# KiCad board choctopus44.kicad_pcb
title: Choctopus44; date: 2023-05-08; rev: 2.0
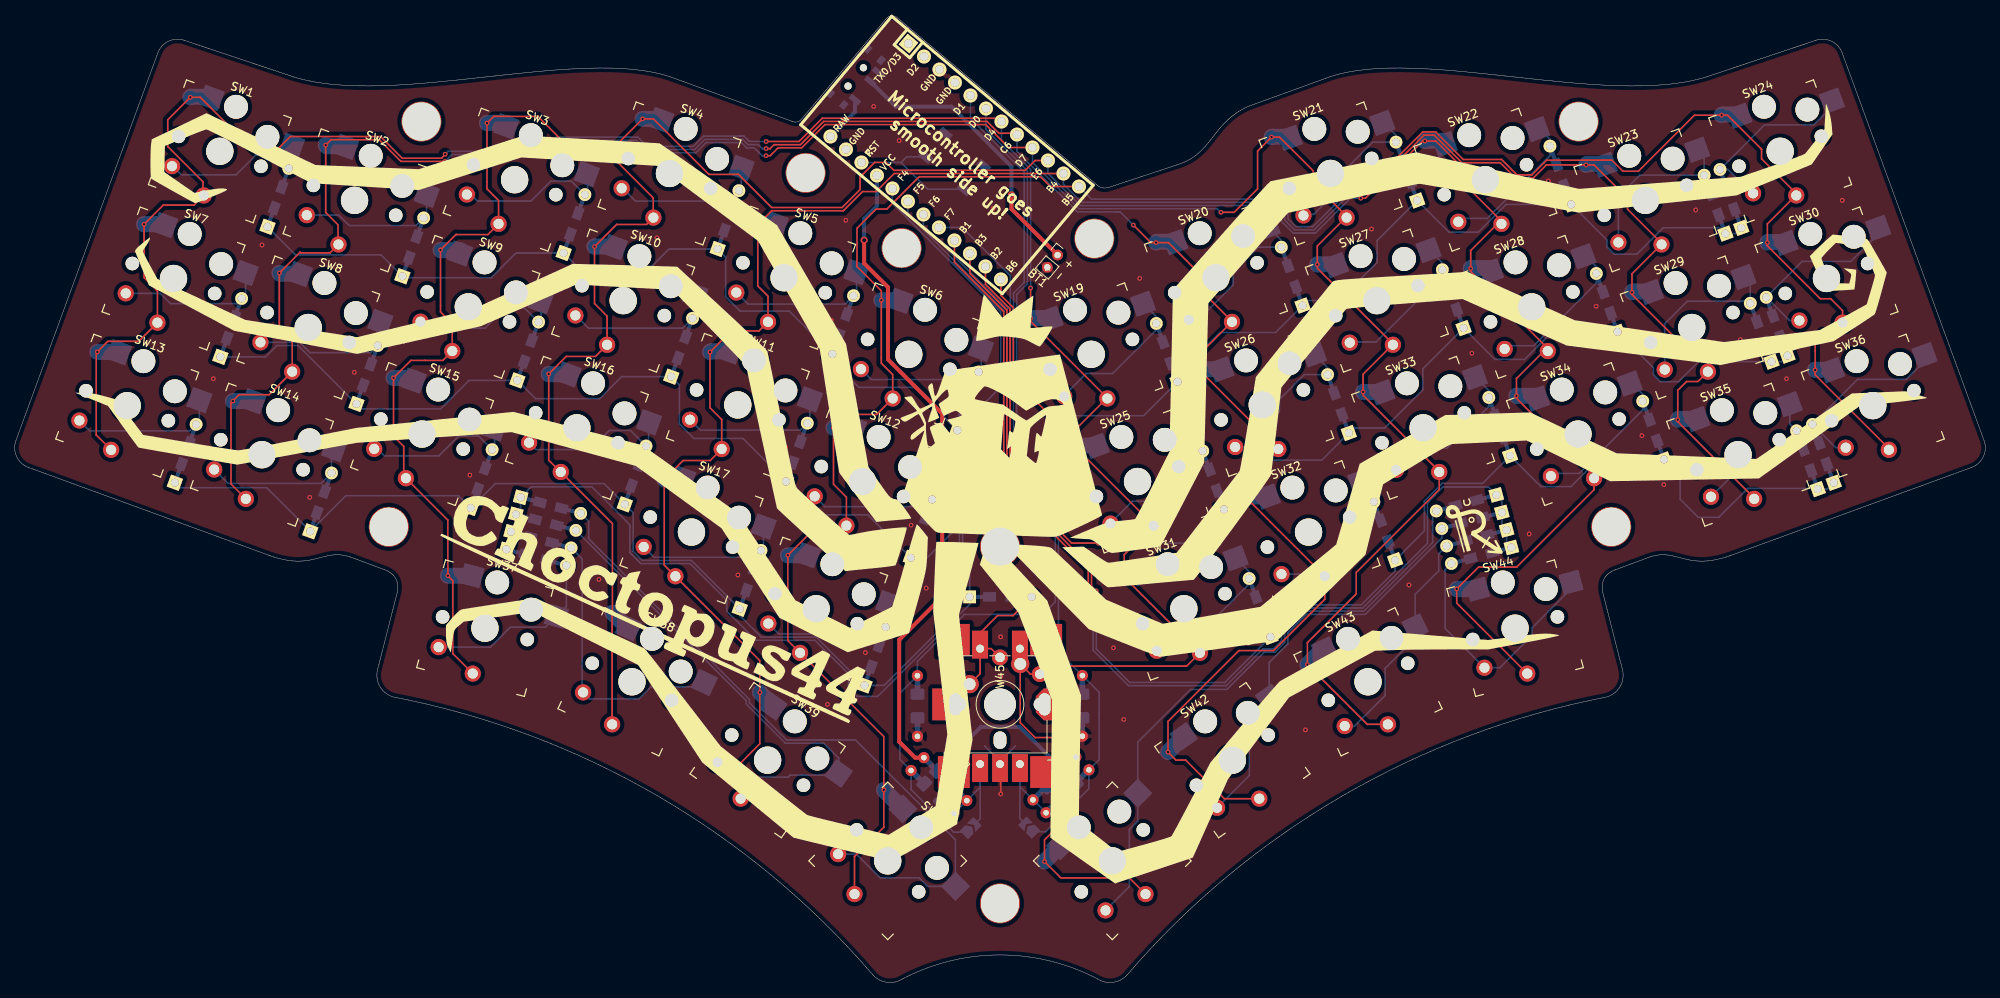
[diagram p0: board, top side]
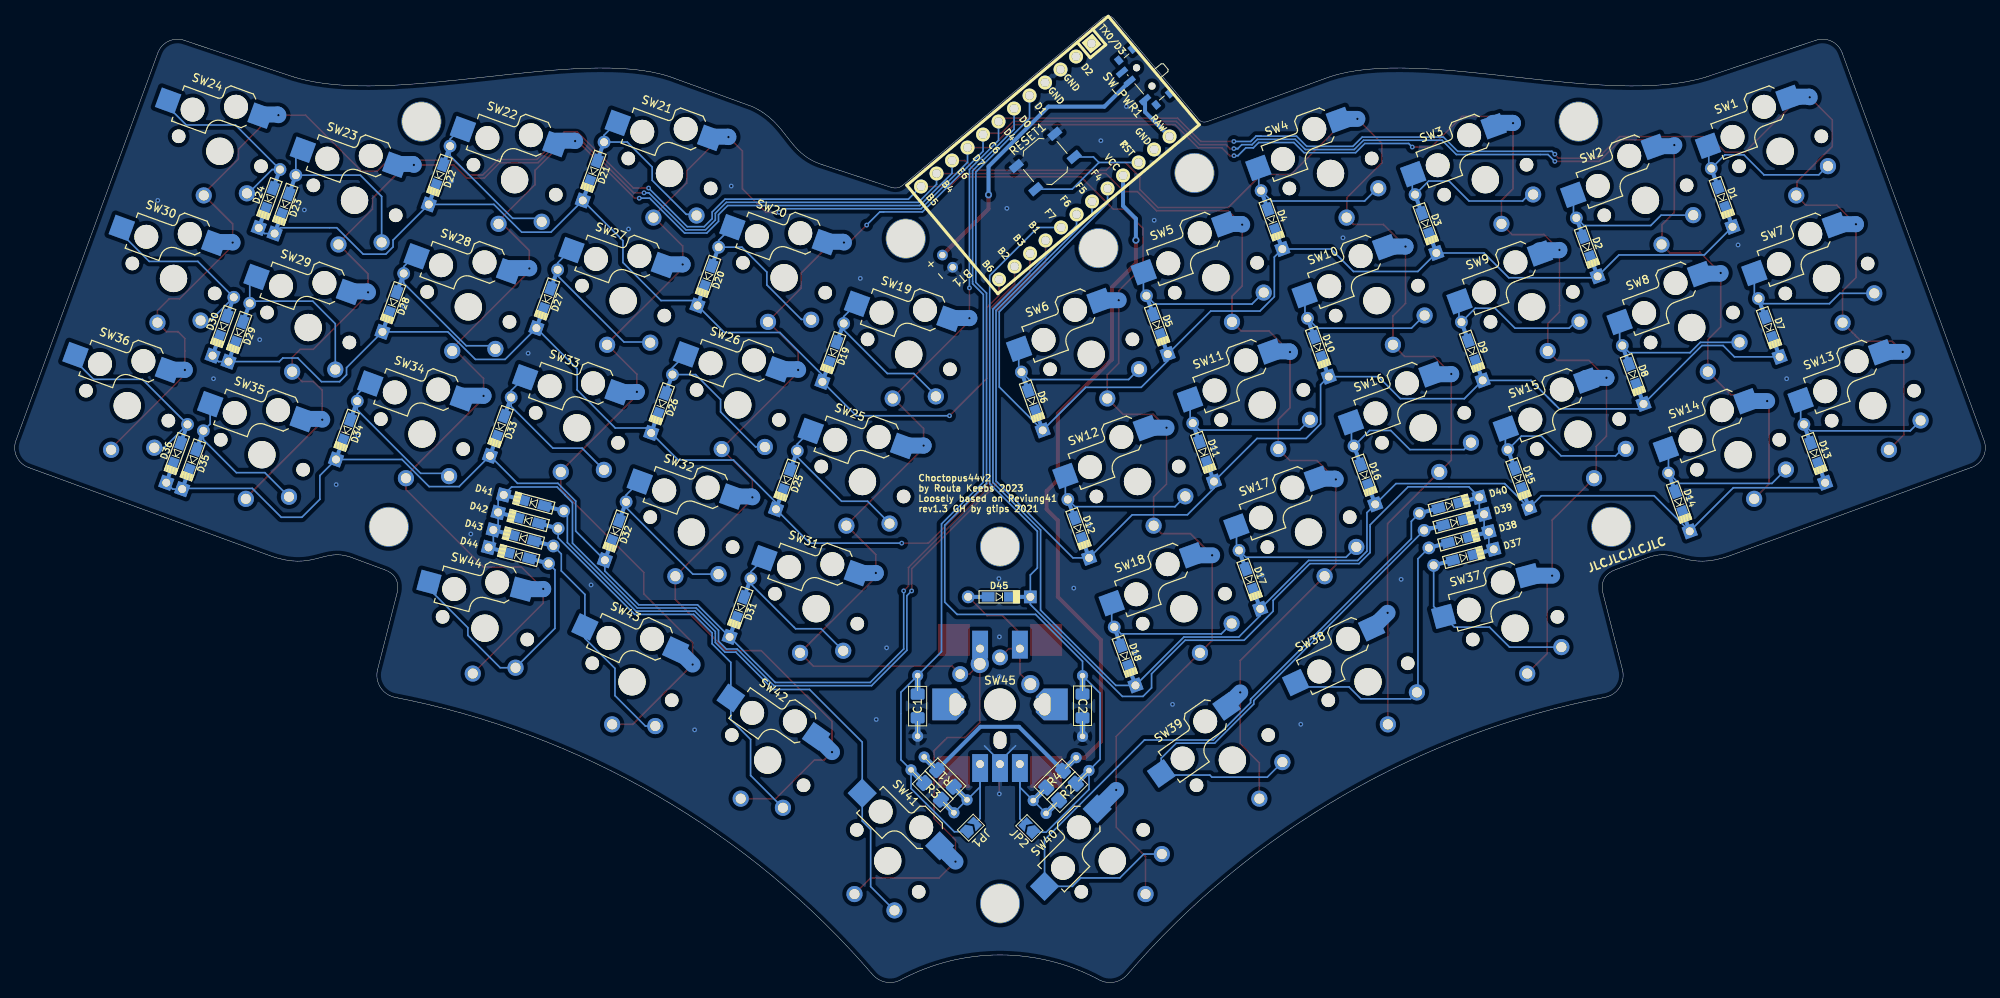
[diagram p1: board, bottom side, seen from below]

Outline 247.41 x 121.42 mm; copper layers: Top, Bottom. Coordinates in mm from the lower left corner of the outline.
Outline path: 35.05,113.74 21.34,118.33 arc(19.33,118.25) 17.97,116.76 0.16,68.07 arc(0.25,66.07) 1.73,64.71 32.05,53.62 ; 42.17,53.44 46.47,51.84 ; 48.01,48.93 45.57,39.35 arc(45.88,37.15) 47.67,35.84 arc(80.67,23.48) 107.77,0.94 arc(109.3,0.06) 111.07,0.24 arc(123.71,3.47) 136.35,0.24 arc(138.11,0.06) 139.65,0.94 arc(166.75,23.48) 199.75,35.84 arc(201.54,37.15) 201.84,39.35 199.4,48.93 ; 97.69,108.14 82.37,113.74 ; 98.73,108.38 109.41,121.06 arc(110.07,121.41) 110.8,121.19 135.99,100.09 ; 146.05,102.74 137.39,99.89 ; 165.05,113.74 154.85,110.04 ; 200.95,51.84 205.25,53.44 ; 212.37,113.74 226.07,118.33 arc(228.08,118.25) 229.44,116.76 247.25,68.07 arc(247.17,66.07) 245.69,64.71 215.37,53.62
Stack: Top 0.035mm / dielectric 1.51mm FR4 er 4.5 / Bottom 0.035mm

## Placement (name value [footprint] x y rotation side)
BT1  Battery_Cell  [PinHeader_1x02_P2.00mm_Vertical]  130.93 91.38 320 top
C1  C  [1206_hybrid]  134.05 34.74 270 bottom
C2  C  [1206_hybrid]  113.35 34.74 90 bottom
D1  1N4148W  [Diode-Hybrid-Back]  33.07 98.59 250 top
D2  1N4148W  [Diode-Hybrid-Back]  50.01 92.38 250 top
D3  1N4148W  [Diode-Hybrid-Back]  70.26 95.3 250 top
D4  1N4148W  [Diode-Hybrid-Back]  89.59 95.8 250 top
D5  1N4148W  [Diode-Hybrid-Back]  103.99 82.6 250 top
D6  1N4148W  [Diode-Hybrid-Back]  119.68 73.02 250 top
D7  1N4148W  [Diode-Hybrid-Back]  27.16 82.26 250 top
D8  1N4148W  [Diode-Hybrid-Back]  44.25 76.34 250 top
D9  1N4148W  [Diode-Hybrid-Back]  64.44 79.3 250 top
D10  1N4148W  [Diode-Hybrid-Back]  83.77 79.77 250 top
D11  1N4148W  [Diode-Hybrid-Back]  98.18 66.6 250 top
D12  1N4148W  [Diode-Hybrid-Back]  113.85 57.01 250 top
D13  1N4148W  [Diode-Hybrid-Back]  21.45 66.44 250 top
D14  1N4148W  [Diode-Hybrid-Back]  38.45 60.34 250 top
D15  1N4148W  [Diode-Hybrid-Back]  58.61 63.27 250 top
D16  1N4148W  [Diode-Hybrid-Back]  77.93 63.73 250 top
D17  1N4148W  [Diode-Hybrid-Back]  92.36 50.62 250 top
D18  1N4148W  [Diode-Hybrid-Back]  108.03 40.99 250 top
D19  1N4148W  [Diode-Hybrid-Back]  144.66 79.12 290 top
D20  1N4148W  [Diode-Hybrid-Back]  160.36 88.7 290 top
D21  1N4148W  [Diode-Hybrid-Back]  174.75 101.9 290 top
D22  1N4148W  [Diode-Hybrid-Back]  194.09 101.4 290 top
D23  1N4148W  [Diode-Hybrid-Back]  213.45 97.74 290 top
D24  1N4148W  [Diode-Hybrid-Back]  215.43 98.46 290 top
D25  1N4148W  [Diode-Hybrid-Back]  150.49 63.11 290 top
D26  1N4148W  [Diode-Hybrid-Back]  166.17 72.7 290 top
D27  1N4148W  [Diode-Hybrid-Back]  180.58 85.87 290 top
D28  1N4148W  [Diode-Hybrid-Back]  199.9 85.4 290 top
D29  1N4148W  [Diode-Hybrid-Back]  219.23 81.66 290 top
D30  1N4148W  [Diode-Hybrid-Back]  221.24 82.41 290 top
D31  1N4148W  [Diode-Hybrid-Back]  156.32 47.08 290 top
D32  1N4148W  [Diode-Hybrid-Back]  171.98 56.72 290 top
D33  1N4148W  [Diode-Hybrid-Back]  186.41 69.83 290 top
D34  1N4148W  [Diode-Hybrid-Back]  205.74 69.37 290 top
D35  1N4148W  [Diode-Hybrid-Back]  225.05 65.64 290 top
D36  1N4148W  [Diode-Hybrid-Back]  227.05 66.44 290 top
D37  1N4148W  [Diode-Hybrid-Back]  65.49 53.41 165 top
D38  1N4148W  [Diode-Hybrid-Back]  66.09 55.61 165 top
D39  1N4148W  [Diode-Hybrid-Back]  66.69 57.81 165 top
D40  1N4148W  [Diode-Hybrid-Back]  67.29 59.94 165 top
D41  1N4148W  [Diode-Hybrid-Back]  182.25 60.24 15 top
D42  1N4148W  [Diode-Hybrid-Back]  182.95 58.04 15 top
D43  1N4148W  [Diode-Hybrid-Back]  183.55 55.84 15 top
D44  1N4148W  [Diode-Hybrid-Back]  184.15 53.64 15 top
D45  1N4148W  [Diode-Hybrid-Back]  123.8 48.44 180 top
G***  LOGO  [routa-logo-new-4-11mm]  182.83 57.05 15 top
G***#2  LOGO  [lonkerot-6-155mm]  123.36 67.79 0 top
H1  H1  [HOLE]  51.07 108.14 355 top
H6  H6  [HOLE]  123.71 9.94 0 top
H6#2  H6  [HOLE]  123.71 54.76 0 top
H6#3  H6  [HOLE]  135.55 93.44 0 top
H6#4  H6  [HOLE]  99.3 101.69 0 top
H6#5  H6  [HOLE]  111.35 92.24 0 top
H8  H8  [HOLE]  200.45 57.24 5 top
H8#2  H8  [HOLE]  46.97 57.24 175 bottom
H11  H11  [HOLE]  196.35 108.14 10 top
JP1  SolderJumper_2_Open  [SolderJumper-2_P1.3mm_Open_TrianglePad1.0x1.5mm]  127.36 19.46 135 bottom
JP2  SolderJumper_2_Open  [SolderJumper-2_P1.3mm_Open_TrianglePad1.0x1.5mm]  120.02 19.4 45 bottom
R1  R  [1206_hybrid]  132.17 24.02 225 bottom
R2  R  [1206_hybrid]  115.23 23.94 315 bottom
R3  R  [1206_hybrid]  130.55 25.64 45 bottom
R4  R  [1206_hybrid]  116.85 25.54 315 bottom
RESET1  SW_PUSH  [SW_SPST_TL3342]  118.02 103.13 320 bottom
SW1  SW_PUSH  [Kailh_socket_PG1350_optional]  25.76 104.41 340 top
SW2  SW_PUSH  [Kailh_socket_PG1350_optional]  42.67 98.25 340 top
SW3  SW_PUSH  [Kailh_socket_PG1350_optional]  62.77 100.84 340 top
SW4  SW_PUSH  [Kailh_socket_PG1350_optional]  82.21 101.63 340 top
SW5  SW_PUSH  [Kailh_socket_PG1350_optional]  96.6 88.53 340 top
SW6  SW_PUSH  [Kailh_socket_PG1350_optional]  112.25 78.91 340 top
SW7  SW_PUSH  [Kailh_socket_PG1350_optional]  19.94 88.43 340 top
SW8  SW_PUSH  [Kailh_socket_PG1350_optional]  36.86 82.28 340 top
SW9  SW_PUSH  [Kailh_socket_PG1350_optional]  56.96 84.87 340 top
SW10  SW_PUSH  [Kailh_socket_PG1350_optional]  76.4 85.65 340 top
SW11  SW_PUSH  [Kailh_socket_PG1350_optional]  90.78 72.56 340 top
SW12  SW_PUSH  [Kailh_socket_PG1350_optional]  106.44 62.93 340 top
SW13  SW_PUSH  [Kailh_socket_PG1350_optional]  14.13 72.46 340 top
SW14  SW_PUSH  [Kailh_socket_PG1350_optional]  31.04 66.3 340 top
SW15  SW_PUSH  [Kailh_socket_PG1350_optional]  51.14 68.89 340 top
SW16  SW_PUSH  [Kailh_socket_PG1350_optional]  70.58 69.68 340 top
SW17  SW_PUSH  [Kailh_socket_PG1350_optional]  84.97 56.58 340 top
SW18  SW_PUSH  [Kailh_socket_PG1350_optional]  100.62 46.96 340 top
SW19  SW_PUSH  [Kailh_socket_PG1350_optional]  135.16 78.91 20 top
SW20  SW_PUSH  [Kailh_socket_PG1350_optional]  150.81 88.53 20 top
SW21  SW_PUSH  [Kailh_socket_PG1350_optional]  165.2 101.63 20 top
SW22  SW_PUSH  [Kailh_socket_PG1350_optional]  184.64 100.84 20 top
SW23  SW_PUSH  [Kailh_socket_PG1350_optional]  204.74 98.25 20 top
SW24  SW_PUSH  [Kailh_socket_PG1350_optional]  221.65 104.41 20 top
SW25  SW_PUSH  [Kailh_socket_PG1350_optional]  140.98 62.93 20 top
SW26  SW_PUSH  [Kailh_socket_PG1350_optional]  156.63 72.55 20 top
SW27  SW_PUSH  [Kailh_socket_PG1350_optional]  171.02 85.65 20 top
SW28  SW_PUSH  [Kailh_socket_PG1350_optional]  190.46 84.87 20 top
SW29  SW_PUSH  [Kailh_socket_PG1350_optional]  210.56 82.28 20 top
SW30  SW_PUSH  [Kailh_socket_PG1350_optional]  227.47 88.44 20 top
SW31  SW_PUSH  [Kailh_socket_PG1350_optional]  146.79 46.96 20 top
SW32  SW_PUSH  [Kailh_socket_PG1350_optional]  162.44 56.58 20 top
SW33  SW_PUSH  [Kailh_socket_PG1350_optional]  176.83 69.68 20 top
SW34  SW_PUSH  [Kailh_socket_PG1350_optional]  196.27 68.89 20 top
SW35  SW_PUSH  [Kailh_socket_PG1350_optional]  216.37 66.3 20 top
SW36  SW_PUSH  [Kailh_socket_PG1350_optional]  233.28 72.46 20 top
SW37  SW_PUSH  [Kailh_socket_PG1350_optional]  59.04 44.51 345 top
SW38  SW_PUSH  [Kailh_socket_PG1350_optional]  77.5 37.78 335 top
SW39  SW_PUSH  [Kailh_socket_PG1350_optional]  94.53 27.94 325 top
SW40  SW_PUSH  [Kailh_socket_PG1350_optional]  109.61 15.29 315 top
SW41  SW_PUSH  [Kailh_socket_PG1350_optional]  137.8 15.29 45 top
SW42  SW_PUSH  [Kailh_socket_PG1350_optional#2]  152.88 27.94 35 top
SW43  SW_PUSH  [Kailh_socket_PG1350_optional]  169.91 37.78 25 top
SW44  SW_PUSH  [Kailh_socket_PG1350_optional]  188.37 44.51 15 top
SW45  Rotary_Encoder_Switch  [EC11_THD_SMD_Choc_MX]  123.71 34.94 90 top
SW_PWR1  SW_DPST  [SW_SPDT_PCM12]  105.85 113.54 50 bottom
U1  ProMicro/Nice!Nano  [ArduinoProMicro]  118.02 103.13 320 bottom

## Library data of the parts
C1 C2 = -: Spice_Model: 100n; Spice_Netlist_Enabled: Y
R1-R4 = -: Spice_Model: 10k; Spice_Netlist_Enabled: Y

## Footprints (pads in the part's own frame, mm; a bottom-side part is the same pattern mirrored in y, then rotated)
1206_hybrid
  round 1.4 hole 0.7: 1(-3.82,-0.004)
  rect 2x0.7 smd: 1(-2.7,0) 2(2.7,0)
  rrect 1.425x1.75 smd: 1(-1.488,0) 2(1.488,0)
  oval 1.4x1.4 hole 0.7: 2(3.8,-0.004)
ArduinoProMicro
  rect 1.753x1.753 hole 1.092: 1(-13.97,-7.62)
  round 1.753 hole 1.092: 2(-11.43,-7.62) 3(-8.89,-7.62) 4(-6.35,-7.62) 5(-3.81,-7.62) 6(-1.27,-7.62) 7(1.27,-7.62) 8(3.81,-7.62) 9(6.35,-7.62) 10(8.89,-7.62) 11(11.43,-7.62) 12(13.97,-7.62) 13(13.97,7.62) 14(11.43,7.62) 15(8.89,7.62) 16(6.35,7.62) 17(3.81,7.62) 18(1.27,7.62) 19(-1.27,7.62) 20(-3.81,7.62) 21(-6.35,7.62) 22(-8.89,7.62) 23(-11.43,7.62) 24(-13.97,7.62)
Diode-Hybrid-Back
  rect 1.6x1.2 smd far side: 1(1.4,0) 2(-1.4,0)
  rect 2.9x0.5 smd far side: 1(2.5,0) 2(-2.5,0)
  rect 1.6x1.6 hole 1: 1(3.9,0)
  round 1.6 hole 1: 2(-3.9,0)
EC11_THD_SMD_Choc_MX
  rect 4x4 smd: (-9,5.8) (-9,-5.8) (7.6,5.8) (7.6,-5.8)
  oval 2.2x1.6 hole 2.2x1.6 unplated: (-4.5,0)
  rrect 4x4 hole 2.8x1.5 unplated: (0,5.6) (0,-5.6)
  round 1.702 hole 1.702 unplated: (0,5.08) (0,-5.08)
  round 3.988 hole 3.988 unplated: (0,0)
  rect 3.5x2 hole 1: A(-7.5,2.5) B(-7.5,-2.5) C(-7.5,0) S1(7,-2.5) S2(7,2.5)
  round 2 hole 1.2: S1(3.8,-5) S2(5.9,0)
  round 2.286 hole 1.499: S1(5.08,-2.54) S2(2.54,3.81)
HOLE
  round 5 hole 4.8 unplated: (0,0)
Kailh_socket_PG1350_optional
  round 1.702 hole 1.702 unplated: (-5.5,0) (5.5,0)
  round 3 hole 3 unplated: (0,5.95) (5,3.75)
  round 3.429 hole 3.429 unplated: (0,0)
  rect 2.6x2.6 smd far side: 1(-3.275,5.95) 2(8.275,3.75)
  round 2.032 hole 1.27: 1(0,-5.9) 2(-5,-3.8)
Kailh_socket_PG1350_optional#2
  round 1.702 hole 1.702 unplated: (-5.5,0) (5.5,0)
  round 3 hole 3 unplated: (0,5.95) (5,3.75)
  round 3.429 hole 3.429 unplated: (0,0)
  rect 2.6x2.6 smd far side: 1(-3.275,5.95) 2(8.275,3.75)
  round 2.032 hole 1.27: 1(0,-5.9) 2(-5,-3.8)
PinHeader_1x02_P2.00mm_Vertical
  round 1.35 hole 0.8: 1(0,0)
  oval 1.35x1.35 hole 0.8: 2(0,-2)
SolderJumper-2_P1.3mm_Open_TrianglePad1.0x1.5mm
  custom 1.5x1.5 smd: 1(-0.725,0)
  custom 1.15x1.5 smd: 2(0.725,0)
SW_SPDT_PCM12
  rect 1x0.8 smd: (-3.65,-1.43) (-3.65,0.78) (3.65,-1.43) (3.65,0.78)
  round 0.9 hole 0.9 unplated: (-1.5,-0.33) (1.5,-0.33)
  rect 0.7x1.5 smd: 1(-2.25,1.43) 2(0.75,1.43) 3(2.25,1.43)
SW_SPST_TL3342
  rect 1.7x1 smd: 1(-3.15,1.9) 1(3.15,1.9) 2(-3.15,-1.9) 2(3.15,-1.9)

## Nets
GND: BT1.2 C1.2 C2.1 RESET1.2 SW45.C U1.3 U1.4 U1.23
VCC: R3.2 R4.1 U1.21
col0: SW1.1 SW7.1 SW13.1 SW19.1 SW25.1 SW31.1 SW41.1 SW45.S1 U1.7
col1: SW2.1 SW8.1 SW14.1 SW20.1 SW26.1 SW32.1 SW42.1 U1.8
col2: SW3.1 SW9.1 SW15.1 SW21.1 SW27.1 SW33.1 SW37.1 SW43.1 U1.9
col3: SW4.1 SW10.1 SW16.1 SW22.1 SW28.1 SW34.1 SW38.1 SW44.1 U1.10
col4: SW5.1 SW11.1 SW17.1 SW23.1 SW29.1 SW35.1 SW39.1 U1.11
col5: SW6.1 SW12.1 SW18.1 SW24.1 SW30.1 SW36.1 SW40.1 U1.12
Enc1A: C2.2 JP2.1 R2.1 U1.5
Enc1B: C1.1 JP1.1 R1.1 U1.6
reset: RESET1.1 U1.22
row0: D1.1 D2.1 D3.1 D4.1 D5.1 D6.1 U1.20
row1: D7.1 D8.1 D9.1 D10.1 D11.1 D12.1 U1.19
row2: D13.1 D14.1 D15.1 D16.1 D17.1 D18.1 U1.18
row3: D37.1 D38.1 D39.1 D40.1 D45.1 U1.17
row4: D19.1 D20.1 D21.1 D22.1 D23.1 D24.1 U1.13
row5: D25.1 D26.1 D27.1 D28.1 D29.1 D30.1 U1.14
row6: D31.1 D32.1 D33.1 D34.1 D35.1 D36.1 U1.15
row7: D41.1 D42.1 D43.1 D44.1 U1.16
Net-(BT1-Pad1): BT1.1 SW_PWR1.2
Net-(D1-Pad2): D1.2 SW1.2
Net-(D2-Pad2): D2.2 SW2.2
Net-(D3-Pad2): D3.2 SW3.2
Net-(D4-Pad2): D4.2 SW4.2
Net-(D5-Pad2): D5.2 SW5.2
Net-(D6-Pad2): D6.2 SW6.2
Net-(D7-Pad2): D7.2 SW7.2
Net-(D8-Pad2): D8.2 SW8.2
Net-(D9-Pad2): D9.2 SW9.2
Net-(D10-Pad2): D10.2 SW10.2
Net-(D11-Pad2): D11.2 SW11.2
Net-(D12-Pad2): D12.2 SW12.2
Net-(D13-Pad2): D13.2 SW13.2
Net-(D14-Pad2): D14.2 SW14.2
Net-(D15-Pad2): D15.2 SW15.2
Net-(D16-Pad2): D16.2 SW16.2
Net-(D17-Pad2): D17.2 SW17.2
Net-(D18-Pad2): D18.2 SW18.2
Net-(D19-Pad2): D19.2 SW19.2
Net-(D20-Pad2): D20.2 SW20.2
Net-(D21-Pad2): D21.2 SW21.2
Net-(D22-Pad2): D22.2 SW22.2
Net-(D23-Pad2): D23.2 SW23.2
Net-(D24-Pad2): D24.2 SW24.2
Net-(D25-Pad2): D25.2 SW25.2
Net-(D26-Pad2): D26.2 SW26.2
Net-(D27-Pad2): D27.2 SW27.2
Net-(D28-Pad2): D28.2 SW28.2
Net-(D29-Pad2): D29.2 SW29.2
Net-(D30-Pad2): D30.2 SW30.2
Net-(D31-Pad2): D31.2 SW31.2
Net-(D32-Pad2): D32.2 SW32.2
Net-(D33-Pad2): D33.2 SW33.2
Net-(D34-Pad2): D34.2 SW34.2
Net-(D35-Pad2): D35.2 SW35.2
Net-(D36-Pad2): D36.2 SW36.2
Net-(D37-Pad2): D37.2 SW37.2
Net-(D38-Pad2): D38.2 SW38.2
Net-(D39-Pad2): D39.2 SW39.2
Net-(D40-Pad2): D40.2 SW40.2
Net-(D41-Pad2): D41.2 SW41.2
Net-(D42-Pad2): D42.2 SW42.2
Net-(D43-Pad2): D43.2 SW43.2
Net-(D44-Pad2): D44.2 SW44.2
Net-(D45-Pad2): D45.2 SW45.S2
Net-(JP1-Pad2): JP1.2 R1.2 R3.1 SW45.B
Net-(JP2-Pad2): JP2.2 R2.2 R4.2 SW45.A
Net-(SW_PWR1-Pad1): SW_PWR1.1 U1.24

Pads without a net: SW_PWR1 3; U1 1 2

## Via types
v1: diameter 0.6, hole 0.3, Top to Bottom, 101 vias
v2: diameter 0.9, hole 0.5, Top to Bottom, 2 vias

## Routing (per net, layer and track width the routed paths; a pad name or vN(x,y) marks a point on that pad's centre or on a via; arc(x,y) is an arc through that point)
GND: length 9.6
  Top w0.2: v1(123.8,23.69) 123.8,27.35 SW45.C
  Bottom w0.2: 123.71,27.79 121.76,29.74 ; 123.71,27.79 125.65,29.73 ; 123.71,27.79 SW45.C
  vias: v1(24.95,75.84) v1(31.05,92.64) v1(37.05,60.94) v1(42.65,76.64) v1(57.15,63.74) v1(73.35,50.64) v1(80.65,93.54) v1(85.95,32.44) v1(90.8,51.19) v1(96.8,67.19) v1(102.05,34.94) v1(102.55,83.19) v1(104.35,95.74) v1(106.8,41.44) v1(107.85,110.04) v1(111.05,105.74) v1(112.55,57.44) v1(114.45,49.54) v1(118.3,73.44) v1(122.85,97.24) v1(123.79,43.42) v1(123.85,50.74) v1(123.8,38.44) v1(137.95,42.04) v1(139.25,33.04) v1(141.25,88.44) v1(157.45,100.04) v1(162.05,31.74) v1(170.35,94.64) v1(175.05,49.94) v1(182.95,79.04) v1(190.15,56.34) v1(192.55,100.69) v1(198.55,84.94) v1(204.3,68.69) v1(207.05,62.54) v1(211.05,97.04) v1(216.65,80.74) v1(222.45,75.84) v1(229.45,98.24)
VCC: length 103.5
  Top w0.5: v2(106.65,93.24) 106.65,90.34 109.65,87.34 109.65,78.27 116.45,71.47 116.45,63.14 117.85,61.74 117.85,59.44 116.45,58.04 116.45,48.44 111.05,43.04 111.05,30.24 113.04,28.25 R4.1
  Bottom w0.5: R4.1 121.32,32.12 126.17,32.12 R3.2 ; U1.21 108.26,97.56 106.65,95.94 v2(106.65,93.24) ; R4.1 114.15,28.24
col0: length 341.7
  Top w0.2: SW45.S1 126.25,41.42 126.49,41.66 ; SW45.S1 126.25,32.64 128.12,30.77 130.32,30.77 131.98,29.11 131.98,20.61 129.3,17.93 v1(129.3,15.19) 131.35,13.14 139.95,13.14 SW41.1 ; SW45.S1 127.53,38.74 SW45.S1 129.71,39.74 147.14,39.74 SW31.1 139.3,50.93 v1(139.3,51.44) 139.3,53.75 142.99,57.44 133.3,67.13 v1(133.3,67.44) 133.3,69.59 137.16,73.45 127.55,83.06 v1(127.55,83.44) v1(127.55,87.24) ; SW13.1 10.24,68.78 10.24,79.08 v1(10.37,79.22) 11.7,80.54 15.58,80.54 SW7.1 17.92,86.87 16.25,88.54 v1(16.25,95.24) 18.65,97.64 22.52,97.64 SW1.1 ; 23.65,99.02 23.65,100.58 19.22,105.01 19.22,108.37 v1(22.05,111.19) 23.3,111.19 30.2,104.29 32.64,104.29 34.62,106.26 45.37,106.26 45.93,106.26 48.65,103.54 53.6,103.54 54.05,103.99 v1(54.05,104.04) ; U1.7 123.48,108.56 101.4,108.56 98.48,105.64 v1(94.35,105.64)
  Bottom w0.2: v1(127.55,87.24) 127.55,102.13 123.89,105.79 U1.7 ; v1(94.35,105.64) 92.23,105.64 91.56,106.31 ; 90.93,106.31 86.48,106.31 85.2,105.03 79.39,105.03 78.23,106.19 68.2,106.19 68.03,106.19 66.24,104.4 54.4,104.4 v1(54.05,104.04) ; 90.93,106.31 91.56,106.31 ; 90.93,106.31 91.56,106.31
  Bottom w2: v1(16.25,95.24) 16.26,95.26 18.8,95.26 ; v1(133.3,67.44) 133.3,67.45 135.86,67.45 ; v1(22.05,111.19) 22.12,111.27 24.62,111.27 ; v1(127.55,83.44) 127.56,83.46 130.03,83.46 ; SW41.1 131.28,17.18 v1(129.3,15.19) ; SW31.1 139.31,51.43 v1(139.3,51.44) ; 12.97,79.22 v1(10.37,79.22)
col1: length 299.9
  Top w0.2: 40.59,92.8 40.59,95.19 39.05,96.73 v1(39.05,105.19) 39.72,105.86 45.77,105.86 48.49,103.14 v1(54.05,103.14) ; v1(140.45,95.14) 142.65,92.94 v1(143.3,92.94) 144.85,92.94 148.67,89.12 148.67,87.21 152.85,83.03 149.05,79.22 v1(149.05,76.94) 149.05,76.64 158.66,67.02 154.8,63.16 v1(154.8,60.94) 154.8,60.72 164.47,51.04 164.47,48.12 158.05,41.69 153.69,41.69 144.8,32.8 v1(144.8,28.94) 145.8,27.94 147.02,27.94 151.86,23.1 SW42.1 ; SW14.1 27.15,62.63 27.15,72.8 v1(27.39,73.04) 28.2,73.84 31.95,73.84 SW8.1 34.84,80.75 33.23,82.36 v1(33.23,89.13) 35.85,91.74 35.95,91.64 39.59,91.64 SW2.1 ; v1(94.35,104.74) 94.85,104.74 95.35,105.25 98.65,105.25 101.56,108.16 122.08,108.16 123.57,106.67 125.68,106.67 U1.8
  Bottom w0.2: 138.3,96.8 138.69,96.8 ; 138.3,96.8 138.79,96.8 v1(140.45,95.14) ; 138.3,96.8 133.44,96.8 125.84,104.41 U1.8 ; 93.85,104.74 v1(94.35,104.74) 93.85,104.74 ; 93.85,104.74 93.35,105.25 92.06,105.25 91.39,105.91 86.65,105.91 85.36,104.63 79.23,104.63 78.07,105.79 68.2,105.79 66.41,104 54.91,104 v1(54.05,103.14) ; 35.79,89.02 33.82,89.02 ; 144.8,28.95 v1(144.8,28.94)
  Bottom w2: v1(33.23,89.13) 33.31,89.05 35.71,89.05 ; SW42.1 144.8,28.95 ; v1(39.05,105.19) 39.19,105.06 41.56,105.06 ; 157.34,61.06 154.91,61.06 v1(154.8,60.94) ; v1(143.3,92.94) 143.4,93.04 145.72,93.04 ; v1(149.05,76.94) 149.14,77.04 151.53,77.04 ; 29.93,73.04 v1(27.39,73.04)
col2: length 328.2
  Top w0.2: SW37.1 55.01,41.32 55.01,50.48 v1(54.38,51.11) 54.38,58.09 SW15.1 48.85,63.63 48.85,67.34 47.57,68.63 v1(47.57,75.96) 49.75,78.14 53.76,78.14 SW9.1 54.94,82.75 53.47,84.23 v1(53.47,92.03) 55.42,93.98 55.45,93.94 59.4,93.94 SW3.1 60.75,98.24 59.3,99.69 v1(59.3,107.94) 60.14,108.79 65.7,108.79 69.55,104.94 v1(71.95,104.94) ; SW43.1 169.81,32.43 v1(162.3,39.94) 162.3,42.69 168.42,48.82 168.42,51.5 178.85,61.93 SW33.1 ; v1(94.33,103.86) 94.86,103.86 95.85,104.85 98.81,104.85 101.73,107.76 121.91,107.76 124.79,104.88 U1.9 ; v1(151.45,96.74) 153.1,96.74 156.05,99.69 156.05,104.44 v1(157.8,106.19) 158.8,106.19 163.04,101.95 163.04,100.44 167.25,96.23 163.55,92.53 v1(163.55,90.19) 163.55,89.72 173.07,80.19 169.3,76.42 v1(169.3,74.19) 169.3,73.76 178.9,64.15
  Bottom w0.2: 50.12,76.04 48.15,76.04 ; 56.02,91.98 54.05,91.98 ; U1.9 127.78,103.03 133.61,97.2 150.99,97.2 v1(151.45,96.74) ; v1(94.33,103.86) 93.83,103.86 92.85,104.85 91.9,104.85 91.23,105.51 86.81,105.51 85.53,104.23 79.06,104.23 77.9,105.39 72.4,105.39 v1(71.95,104.94)
  Bottom w2: v1(59.3,107.94) 59.34,107.98 61.81,107.98 ; v1(47.57,75.96) 47.58,75.95 50.16,75.95 ; SW37.1 v1(54.38,51.11) ; v1(169.3,74.19) 169.32,74.17 171.77,74.17 ; 165.94,90.21 163.56,90.21 v1(163.55,90.19) ; 55.99,91.98 53.51,91.98 v1(53.47,92.03) ; v1(157.8,106.19) 157.84,106.24 160.12,106.24 ; v1(162.3,39.94) 164.14,41.79 SW43.1
col3: length 328.6
  Top w0.2: SW38.1 75.01,46.41 v1(75.05,46.44) 75.05,57.65 SW16.1 ; 198.23,63.69 188.55,73.38 v1(188.55,73.69) 188.55,75.87 192.4,79.73 182.8,89.33 v1(182.8,89.69) 182.8,91.94 186.58,95.73 182.08,100.23 182.08,102.03 178.42,105.69 v1(177.05,105.69) 176.76,105.69 169.58,98.52 v1(169,98.52) ; U1.10 128.1,103.25 126.87,102.02 110.39,102.02 109.39,103.01 107.98,103.01 106.15,101.18 106.15,99.61 103.88,97.34 95.05,97.34 90.88,101.51 87.15,101.51 80.18,108.48 v1(78.83,108.48) 75.76,105.41 75.76,102.97 80.17,98.56 80.17,96.23 ; SW44.1 181.05,47.67 v1(181.05,49.44) 183.79,52.19 188.57,52.19 198.29,61.91 SW34.1 ; 68.5,64.15 67.05,65.61 v1(67.05,76.44) 69.25,78.64 72.91,78.64 SW10.1 74.38,83.71 72.8,85.29 v1(72.8,92.44) 75.57,95.22 79.33,95.22 SW4.1
  Bottom w0.2: v1(169,98.52) 167.68,98.52 163.31,94.15 160.51,94.15 159.05,95.61 159.05,96.44 157.89,97.6 133.78,97.6 129.73,101.65 U1.10 ; 75.3,92.37 73.33,92.37
  Bottom w2: v1(182.8,89.69) 182.84,89.74 185.27,89.74 ; v1(181.05,49.44) 181.08,49.41 SW44.1 ; 69.48,76.41 67.08,76.41 v1(67.05,76.44) ; v1(177.05,105.69) 177.09,105.74 179.45,105.74 ; v1(75.05,46.44) 76.93,44.56 SW38.1 ; v1(72.8,92.44) 72.8,92.45 75.32,92.45 ; 81.14,108.48 v1(78.83,108.48) ; v1(188.55,73.69) 188.56,73.71 191.1,73.71
col4: length 284.5
  Top w0.2: SW17.1 93.55,40.44 v1(93.55,36.44) 93.55,29.98 91.15,27.58 SW39.1 ; U1.11 110.42,101.62 108.14,99.34 106.45,99.34 104.05,96.94 95.05,96.94 v1(93.3,95.19) 93.3,87.49 94.58,86.21 SW5.1 93.44,81.84 89.95,81.84 v1(87.3,79.19) 87.3,72.19 88.77,70.73 SW11.1 87.32,65.57 83.92,65.57 v1(81.55,63.19) 81.55,52.43 82.94,51.04 ; v1(168.4,99.19) 169.7,99.19 176.95,106.44 178.23,106.44 181.69,102.99 186.5,102.99 188.45,101.04 190.64,101.04 192.3,102.69 v1(197.3,102.69) 198.3,102.69 202.49,98.5 202.49,97.14 206.83,92.8 203.05,89.02 v1(203.05,86.69) 203.05,86.42 209.93,79.53 211.56,79.53 212.57,78.52 SW29.1 211.34,75.49 209.9,75.49 208.8,74.39 v1(208.8,70.69) 208.8,70.45 218.46,60.78
  Bottom w0.2: U1.11 131.67,100.27 133.95,98 158.06,98 159.45,96.61 159.45,95.78 160.68,94.55 163.14,94.55 167.79,99.19 v1(168.4,99.19)
  Bottom w2: v1(81.55,63.19) 81.65,63.3 83.91,63.3 ; v1(197.3,102.69) 197.42,102.81 199.7,102.81 ; 89.73,79.28 87.38,79.28 v1(87.3,79.19) ; 95.54,95.28 93.39,95.28 v1(93.3,95.19) ; 205.54,86.81 203.16,86.81 v1(203.05,86.69) ; SW39.1 95.26,34.73 v1(93.55,36.44) ; 211.33,70.8 208.9,70.8 v1(208.8,70.69)
col5: length 305.6
  Top w0.2: SW40.1 105.44,15.84 109.12,19.52 v1(109.12,24.19) 109.12,30.9 SW18.1 97.07,42.95 v1(97.07,53.67) 99.8,56.39 103.42,56.39 SW12.1 104.42,60.97 102.8,62.59 v1(102.8,69.69) 104.47,71.36 108.23,71.36 SW6.1 110.23,76.36 108.8,77.79 v1(108.8,85.7) 108.8,86.89 105.75,89.94 105.75,94.74 108.15,97.14 109.49,97.14 113.56,101.22 128.8,101.22 130.03,99.99 U1.12 ; v1(167.82,99.79) 169.73,99.79 176.78,106.84 178.4,106.84 181.86,103.39 186.67,103.39 188.61,101.44 190.48,101.44 192.33,103.29 200.52,103.29 201.91,101.91 203.86,101.91 210.89,108.94 v1(214.3,108.94) 215.05,108.94 219.32,104.68 219.32,103.46 223.76,99.02 220.05,95.3 v1(220.05,92.94) 220.05,92.54 226.69,85.89 228,85.89 229.49,84.4 SW30.1 228.34,81.74 226.95,81.74 226.92,81.77 226.05,80.89 v1(226.05,76.94) 226.05,76.33 235.42,66.96
  Bottom w0.2: v1(167.82,99.79) 162.97,94.94 160.85,94.94 159.85,95.94 159.85,96.78 158.22,98.4 135.21,98.4 U1.12
  Bottom w2: 216.63,109.03 214.38,109.03 v1(214.3,108.94) ; v1(220.05,92.94) 220.12,93.02 222.45,93.02 ; SW18.1 v1(97.07,53.67) ; 105.4,69.69 v1(102.8,69.69) ; 228.29,76.98 226.08,76.98 v1(226.05,76.94) ; SW40.1 v1(109.12,24.19) ; 111.23,85.7 v1(108.8,85.7)
Enc1A: length 116.3
  Bottom w0.2: JP2.1 117.91,18.89 112.53,24.26 R2.1 111.15,28.03 111.15,36.35 C2.2 113.34,40.35 119.24,46.24 129.1,46.24 130.65,47.8 130.65,57.44 125.4,62.69 125.4,86.6 126.75,87.95 126.75,101.8 120,108.55 U1.5
  Bottom w0.5: R2.1 112.53,26.63
Enc1B: length 102.2
  Bottom w0.2: U1.6 121.94,107.17 127.15,101.96 127.15,87.78 125.8,86.43 125.8,62.86 131.05,57.61 131.05,41.57 C1.1 136.15,36.47 136.15,27.99 R1.1 134.88,24.37 129.45,18.94 JP1.1
reset: length 17.7
  Bottom w0.2: RESET1.1 114.64,99.65 111.29,103.01 ; 111.29,103.01 111.98,103.7 RESET1.1 ; 111.29,103.01 U1.22
row0: length 143.8
  Bottom w0.2: U1.20 110.2,97.86 123.8,84.26 123.8,74.81 D6.1 112.94,74.76 105.98,74.76 102.65,78.09 D5.1 97.25,84.34 91.06,84.34 89.26,86.15 89.26,91.13 D4.1 82.15,92.14 79.33,89.31 71.25,89.31 D3.1 62.94,91.64 59.83,88.53 48.86,88.53 D2.1 46,91.39 35.28,91.39 D1.1
row1: length 164.1
  Bottom w0.2: D7.1 31.5,78.59 32.92,80.02 35.58,80.02 D8.1 43.54,72.06 53.48,72.06 54.96,73.54 ; 53.98,72.55 57.04,75.62 57.04,75.64 D9.1 65.4,73.34 73.44,73.34 76.21,76.11 D10.1 83.46,75.08 83.46,70.16 85.28,68.34 91.44,68.34 D11.1 96.84,62.08 100.18,58.75 107.11,58.75 D12.1 114.55,53.35 124.2,63 124.2,84.43 112.15,96.48 U1.19
row2: length 179.1
  Bottom w0.2: U1.18 114.09,95.1 124.6,84.59 124.6,62.83 118.61,56.85 118.61,46.78 109.16,37.33 D18.1 100.62,43.4 93.73,43.4 91.03,46.1 D17.1 84.96,53.02 78.8,53.02 77.64,54.18 77.64,59.02 D16.1 73.99,62.67 60.34,62.67 D15.1 55.74,61.14 41.58,61.14 D14.1 31.64,62.16 20.74,62.16 D13.1
row3: length 139.4
  Bottom w0.2: D37.1 62.33,55.02 D38.1 62.93,57.22 D39.1 63.53,59.42 D40.1 64.84,62.27 72.46,62.27 77.24,57.49 77.24,54.01 78.64,52.62 84.8,52.62 89.41,48.01 89.41,46.65 93.06,43 100.46,43 104.68,38.78 104.68,37.01 105.75,35.94 108.35,35.94 119.9,47.49 D45.1 119.9,51.19 119.01,52.08 119.01,56.68 125,62.67 125,88.8 118.95,94.84 U1.17
row4: length 127.9
  Top w0.2: v1(130.05,71.19) 125.37,75.87 125.37,84.77 123.82,86.32 U1.13
  Bottom w0.2: v1(130.05,71.19) 141.74,71.19 D19.1 146,76.31 151.34,81.65 158.31,81.65 D20.1 162.32,85.66 166.26,85.66 171.05,90.44 171.05,93.2 D21.1 180.08,94.25 183.75,94.25 187.24,97.74 D22.1 199.9,93.25 199.9,92.4 200.82,91.48 203.65,91.48 206.98,94.81 214.05,94.81 D23.1 216.05,94.08 D24.1
row5: length 150.5
  Top w0.2: v1(136.05,55.19) 132.7,55.19 124.97,62.92 124.97,84.37 ; 124.97,84.37 124.97,84.6 121.88,87.7 U1.14 ; 124.97,84.37 124.97,84.57
  Bottom w0.2: v1(136.05,55.19) 147.58,55.19 D25.1 151.83,60.3 157.16,65.63 164.1,65.63 D26.1 168.13,69.66 172.01,69.66 176.8,74.44 176.8,77.09 D27.1 185.84,78.27 189.56,78.27 193.03,81.74 D28.1 205.75,77.23 205.75,76.34 206.61,75.48 208.89,75.48 211.86,78.45 213.75,78.45 213.75,78.44 214.19,77.99 D29.1 221.82,77.99 D30.1
row6: length 175
  Top w0.2: U1.15 119.93,89.08 124.57,84.44 124.57,62.75 135.2,52.13 135.2,49.8 v1(135.8,49.19)
  Bottom w0.2: v1(135.8,49.19) 135.8,41.89 140,37.69 151.93,37.69 D31.1 161.68,47.44 169.07,47.44 173.31,51.69 D32.1 176.98,56.72 176.98,60.48 179.21,62.71 184.29,62.71 D33.1 191.61,62.3 195.38,62.3 198.79,65.7 D34.1 209.1,63.68 209.1,60.69 211.35,58.44 213.95,58.44 217.57,62.07 226.29,62.07 D35.1 227.58,61.98 D36.1
row7: length 133.1
  Top w0.2: v1(134.8,49.19) 134.8,51.96 124.18,62.59 124.18,84.27 117.99,90.46 U1.16
  Bottom w0.2: v1(134.8,49.19) 135.4,48.59 135.4,41.73 139.83,37.3 152.1,37.3 152.1,37.3 156.69,41.9 158.06,41.9 159.05,42.89 159.05,44.25 161.84,47.05 169.24,47.05 177.38,55.19 177.38,60.28 178.3,61.19 178.3,61.23 179.31,62.24 185.02,62.24 D41.1 186.71,60.55 D42.1 186.71,57.45 D43.1 187.31,55.25 D44.1
Net-(BT1-Pad1): length 35.7
  Top w0.5: v2(125.15,98.94) 125.15,97.16 BT1.1
  Bottom w0.5: v2(125.15,98.94) 125.15,102.5 117.63,110.02 110.6,110.02 SW_PWR1.2
Net-(D1-Pad2): length 20.1
  Bottom w0.2: 34.72,105.25 34.72,102.57 D1.2 32.71,103.96 30.29,103.96 27.81,101.48 27.81,101.46 20.91,101.46 19.67,102.7
Net-(D2-Pad2): length 18.7
  Bottom w0.2: 51.39,96.01 51.71,96.33 51.71,99.01 ; SW2.2 40.7,96.39 42,95.09 50.39,95.09 D2.2
Net-(D3-Pad2): length 20.1
  Bottom w0.2: 56.85,99.41 58.1,98.17 64.82,98.17 67.32,100.67 69.89,100.67 D3.2 ; 71.63,98.98 71.94,99.29 71.94,101.97
Net-(D4-Pad2): length 19.1
  Bottom w0.2: 91.22,102.36 91.22,99.68 90.9,99.36 ; D4.2 89.62,98.16 77.93,98.16 76.19,99.91
Net-(D5-Pad2): length 18.9
  Bottom w0.2: 105.7,89.24 105.7,86.56 105.38,86.25 ; D5.2 104.27,85.22 92.07,85.22 90.58,86.71
Net-(D6-Pad2): length 18.8
  Bottom w0.2: 121.04,76.65 121.35,76.97 121.35,79.65 ; D6.2 120.07,75.75 107.55,75.75 SW6.2
Net-(D7-Pad2): length 18.8
  Bottom w0.2: SW7.2 29,86.43 D7.2 27.84,85.27 19.57,85.27 18.27,86.57 SW7.2
Net-(D8-Pad2): length 18.7
  Bottom w0.2: SW8.2 35.78,80.42 37.08,79.11 44.68,79.11 D8.2 45.92,80.34 SW8.2
Net-(D9-Pad2): length 20.1
  Bottom w0.2: 51.04,83.41 52.26,82.19 59.04,82.19 61.55,84.69 64.05,84.69 D9.2 66.09,83.28 66.09,85.96
Net-(D10-Pad2): length 19.2
  Bottom w0.2: 85.21,83.25 85.27,83.31 ; 70.36,83.88 72.05,82.19 83.86,82.19 D10.2 85.42,83.75 85.42,86.43
Net-(D11-Pad2): length 18.8
  Bottom w0.2: 99.83,73.26 99.83,70.58 D11.2 98.64,69.39 86.09,69.39 84.77,70.71
Net-(D12-Pad2): length 18.8
  Bottom w0.2: 115.5,63.67 115.5,60.99 D12.2 114.28,59.77 101.74,59.77 SW12.2
Net-(D13-Pad2): length 18.7
  Bottom w0.2: SW13.2 23.19,70.52 D13.2 21.97,69.3 9.43,69.3 SW13.2
Net-(D14-Pad2): length 19.1
  Bottom w0.2: SW14.2 26.79,62.69 38.46,62.69 D14.2 39.78,66.67 SW14.2
Net-(D15-Pad2): length 20.1
  Bottom w0.2: 45.2,67.38 46.42,66.16 53.26,66.16 55.74,68.64 58.24,68.64 D15.2 60.26,67.25 60.26,69.93
Net-(D16-Pad2): length 20
  Bottom w0.2: 79.58,70.39 79.58,67.71 D16.2 77.31,69.34 74.65,69.34 72.25,66.94 65.45,66.94 SW16.2
Net-(D17-Pad2): length 18.8
  Bottom w0.2: 94.01,57.28 94.01,54.6 D17.2 92.84,53.42 80.26,53.42 78.96,54.72
Net-(D18-Pad2): length 18.8
  Bottom w0.2: SW18.2 95.93,43.8 108.51,43.8 D18.2 109.68,44.97 SW18.2
Net-(D19-Pad2): length 19.1
  Bottom w0.2: 131.74,73.71 134.53,76.5 137.85,76.5 143.33,81.98 D19.2 143.33,83.65 141.63,85.35
Net-(D20-Pad2): length 19.6
  Bottom w0.2: 157.33,94.93 159.03,93.23 D20.2 156.11,92.37 152.98,89.24 152.98,87.63 148.64,83.29 147.44,83.29
Net-(D21-Pad2): length 19.6
  Bottom w0.2: 161.83,96.49 163.1,96.49 167.37,100.77 167.37,102.44 170.5,105.57 D21.2 173.42,106.43 171.72,108.12
Net-(D22-Pad2): length 19.3
  Bottom w0.2: 191.06,107.63 192.75,105.93 D22.2 192.75,103.85 184.89,95.99 181.16,95.99
Net-(D23-Pad2): length 21.2
  Bottom w0.2: SW23.2 201.34,98.74 204.01,101.41 212.11,101.41 D23.2 212.11,103.73 SW23.2
Net-(D24-Pad2): length 23.5
  Bottom w0.2: SW24.2 228.15,110 225.87,107.72 219.69,107.72 D24.2 215.08,102.12 218.07,99.13 SW24.2
Net-(D25-Pad2): length 19.1
  Bottom w0.2: 147.46,69.33 149.16,67.64 D25.2 149.16,66.02 143.59,60.45 140.32,60.45 137.57,57.7
Net-(D26-Pad2): length 19.5
  Bottom w0.2: 153.24,67.29 154.39,67.29 158.79,71.68 158.79,73.24 161.91,76.36 D26.2 164.83,77.22 163.14,78.92
Net-(D27-Pad2): length 19.1
  Bottom w0.2: 177.54,92.09 179.24,90.39 D27.2 179.24,88.78 170.92,80.46 167.65,80.46
Net-(D28-Pad2): length 19.3
  Bottom w0.2: 186.98,79.99 190.71,79.99 198.57,87.84 D28.2 198.57,89.93 196.87,91.62
Net-(D29-Pad2): length 21.4
  Bottom w0.2: SW29.2 217.9,87.78 D29.2 217.64,85.58 209.98,85.58 207.16,82.76 SW29.2
Net-(D30-Pad2): length 23.5
  Bottom w0.2: SW30.2 233.96,94.02 230.52,90.58 224.41,90.58 D30.2 222.82,83.16 SW30.2
Net-(D31-Pad2): length 19
  Bottom w0.2: SW31.2 146.16,44.44 149.37,44.44 154.98,50.06 D31.2 154.98,51.61 SW31.2
Net-(D32-Pad2): length 19
  Bottom w0.2: 168.95,62.94 170.65,61.24 D32.2 170.65,59.68 162.27,51.3 159.06,51.3
Net-(D33-Pad2): length 19.3
  Bottom w0.2: 183.38,76.05 185.08,74.35 D33.2 185.08,72.36 179.84,67.13 176.16,67.13 SW33.2
Net-(D34-Pad2): length 19.3
  Bottom w0.2: 202.7,75.59 204.4,73.9 D34.2 204.4,71.93 196.43,63.96 192.81,63.96
Net-(D35-Pad2): length 18.5
  Bottom w0.2: SW35.2 216,64.04 219.58,64.04 223.71,68.18 D35.2 222.86,70.16 SW35.2
Net-(D36-Pad2): length 23.5
  Bottom w0.2: SW36.2 228.64,67.18 D36.2 231.37,75.77 237.5,75.77 239.78,78.05 SW36.2
Net-(D37-Pad2): length 23.3
  Bottom w0.2: SW37.2 59.74,42.14 62.25,44.65 66.66,44.65 SW37.2 69.26,47.25 D37.2
Net-(D38-Pad2): length 35.2
  Bottom w0.2: D38.2 71.24,53.22 71.24,36.58 SW38.2 72.18,35.64 78.39,35.64 79.89,37.14 86.04,37.14 SW38.2
Net-(D39-Pad2): length 65.4
  Bottom w0.2: SW39.2 90.15,25.79 97.09,25.79 97.36,26.06 103.26,26.06 SW39.2 103.46,28.19 101.58,30.07 96.76,30.07 91.85,34.98 91.85,35.41 D39.2 ; 68.01,57.24 70.16,57.24
Net-(D40-Pad2): length 87.8
  Bottom w0.2: SW40.2 105.67,16.14 108.66,13.15 113.56,13.15 114.62,12.09 SW40.2 118.11,17.93 105.57,30.47 96.93,30.47 92.25,35.15 92.25,35.58 72.06,55.76 72.06,57.93 D40.2
Net-(D41-Pad2): length 75.2
  Bottom w0.2: D41.2 178.02,58.78 178.02,55.27 169.4,46.65 162.01,46.65 159.45,44.08 159.45,42.72 158.22,41.5 156.86,41.5 156.86,41.49 152.18,36.81 147.61,36.81 141,30.2 SW41.2 141,20.3 139.95,19.24 139.95,12.06 SW41.2
Net-(D42-Pad2): length 51.1
  Bottom w0.2: D42.2 179.18,55.86 169.57,46.25 162.17,46.25 159.85,43.92 159.85,42.56 157.5,40.21 SW42.2 157.5,33.02 155.02,30.54 155.02,26.01 SW42.2
Net-(D43-Pad2): length 28.6
  Bottom w0.2: SW43.2 168.22,32.22 172.05,36.05 172.05,39.47 175.82,43.24 SW43.2 175.82,48.76 178.78,51.72 178.78,53.84 D43.2
Net-(D44-Pad2): length 31.8
  Bottom w0.2: SW44.2 195.39,49.46 190.52,44.58 190.52,43.61 186.45,39.55 SW44.2 179.58,44.49 179.58,51.84 D44.2
Net-(D45-Pad2): length 18.3
  Top w0.2: SW45.S2 121.21,38.79 SW45.S2 ; SW45.S2 121.21,43.9 123.4,46.09 125.35,46.09 D45.2 ; SW45.S2 122.61,41.94 SW45.S2
Net-(JP1-Pad2): length 15.2
  Bottom w0.2: R1.2 127.87,22.95 R3.1 126.21,24.58 SW45.B 126.21,20.61 JP1.2
Net-(JP2-Pad2): length 15.4
  Bottom w0.2: R2.2 119.53,22.86 R4.2 121.21,24.53 SW45.A 121.21,20.58 JP2.2
Net-(SW_PWR1-Pad1): length 5.9
  Bottom w0.5: SW_PWR1.1 105.5,109.35 U1.24

## Copper pours and planes (outline as drawn; the poured copper is in the pictures)
GND on Top: 16.85,122.54 37.95,117.84 76.95,117.84 95.55,111.34 109.85,126.54 134.35,107.74 171.15,118.64 213.15,117.64 232.05,122.94 254.75,64.04 205.25,47.24 207.85,33.54 180.05,25.04 158.15,12.34 140.55,-4.56 106.75,-3.66 92.65,11.24 73.05,24.14 41.55,34.64 44.25,47.34 -4.55,65.34
GND on Bottom: 16.85,122.54 37.95,117.84 76.95,117.84 95.55,111.34 109.85,126.54 134.35,107.74 171.15,118.64 213.15,117.64 232.05,122.94 254.75,64.04 205.25,47.24 207.85,33.54 180.05,25.04 158.15,12.34 140.55,-4.56 106.75,-3.66 92.65,11.24 73.05,24.14 41.55,34.64 44.25,47.34 -4.55,65.34

## Text on the board
B.Silkscreen: Choctopus44v2 / by Routa Keebs 2023 / Loosely based on Reviung41 / rev1.3 GH by gtips 2021 | SW45 | BT1 | - | + | JLCJLCJLCJLC
F.Silkscreen: + | - | Microcontroller goes / smooth side up!
